# Altium PCB AL1000.PcbDoc (part 3 of 4)
Units mil, origin at the board's own origin, x right, y up, seen from the top; angles counter-clockwise.
Board outline 8277.75 x 4143.89 mil, 4 copper layers (Component Side, Ground Plane, Power Plane, Solder Side), stack 33.234 mil thick; 499 components, 375 nets, 1599 pads, 423 vias.
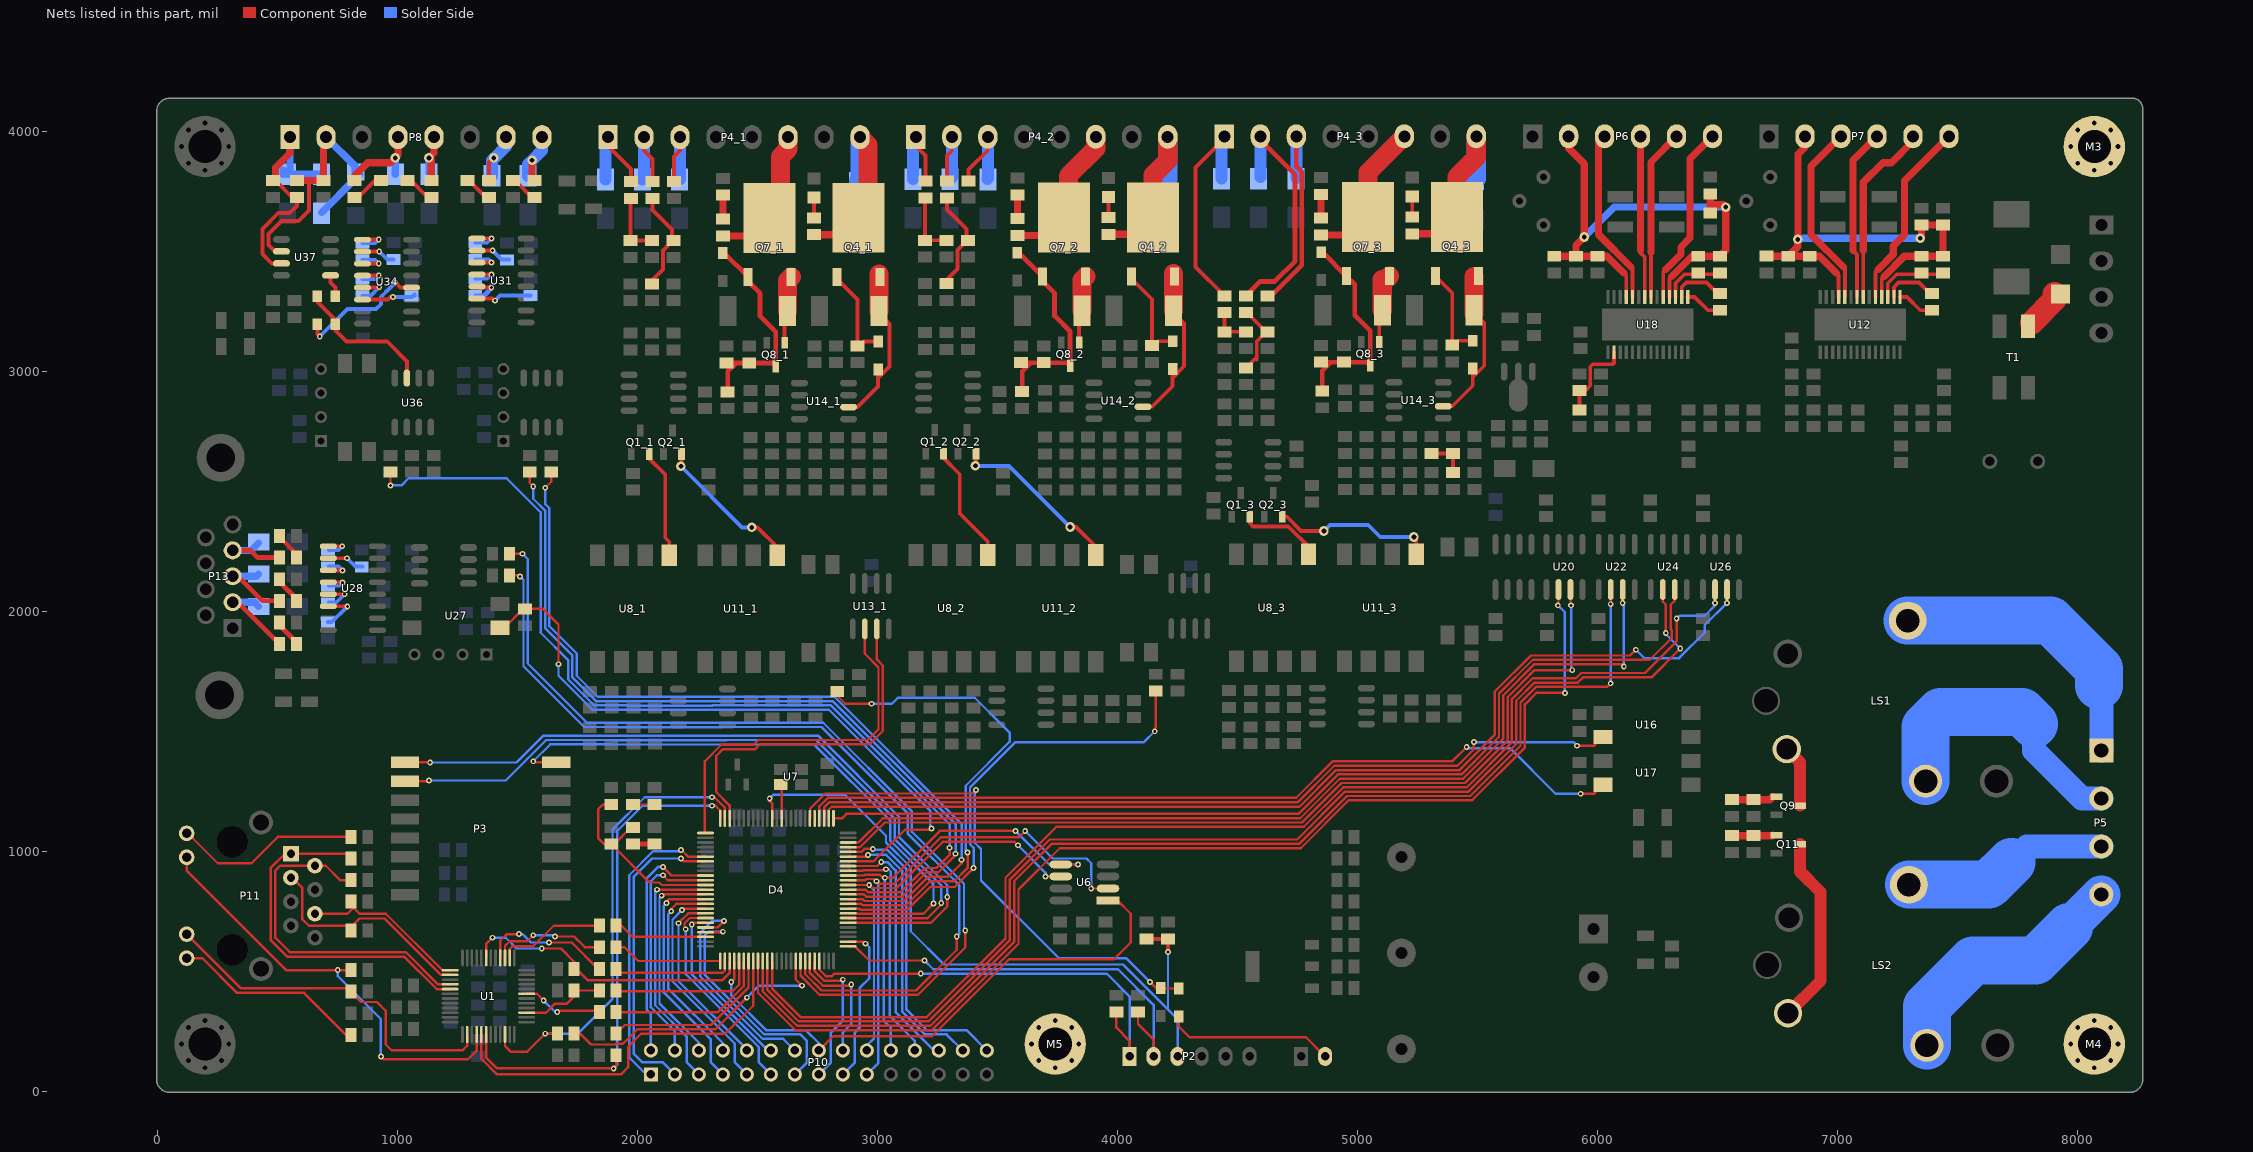
[diagram p5: the nets of this part, all layers, seen from the top]

## Via types
v1: diameter 24, hole 12, Component Side to Solder Side, tented both sides, 191 vias
v2: diameter 40, hole 20, Component Side to Solder Side, 79 vias
v3: diameter 24, hole 12, Component Side to Solder Side, 73 vias
v4: diameter 40, hole 20, Component Side to Solder Side, tented both sides, 29 vias
v5: diameter 50, hole 28, Component Side to Solder Side, 27 vias
v6: diameter 50, hole 24, Component Side to Solder Side, tented both sides, 10 vias
v7: diameter 50, hole 28, Component Side to Solder Side, tented both sides, 10 vias
v8: diameter 50, hole 25, Component Side to Solder Side, 3 vias
v9: diameter 50, hole 24, Component Side to Solder Side, 1 vias

## Nets (pads, with @x,y where several pads share a name; then routed paths per layer and width w, separated by ;. In a path a pad name is that pad's centre, name@x,y a point inside that pad or via, vN(x,y) a via of type N, cw(c..) or ccw(c..) an arc to the next point about the centre after c; other vN are vias at no path point) (continued)
NetC55_3_2: C55_3.2 R58_3.1 R59_3.2 | length 169.9
  Component Side w16: C55_3.2@5308.23,2658.58 R59_3.2@5398.23,2658.58 R58_3.1@5398.23,2578.66
NetC56_1_1: C56_1.1 D14_1.1 Q7_1.1 Q8_1.3 R64_1.1 R65_1.1 | length 902.3
  Component Side w20: D14_1.1@2355,3493.07 2361.1,3493.07 Q7_1.1@2460.24,3393.94 2460.24,3374.76 2510,3325 2510,3230 2575,3165 Q8_1.3@2575,3020.79 2560.83,3034.96 R64_1.1@2465,3034.96 2410,3034.96 ; C56_1.1@2370,3034.96 2410,3034.96 ; R65_1.1@2375,2925.04 2375,2999.96 2410,3034.96
NetC56_2_1: C56_2.1 D14_2.1 Q7_2.1 Q8_2.3 R64_2.1 R65_2.1 | length 902.3
  Component Side w20: D14_2.1@3582.36,3494.49 3588.46,3494.49 Q7_2.1@3687.6,3395.35 3687.6,3376.18 3737.36,3326.42 3737.36,3231.42 3802.36,3166.42 Q8_2.3@3802.36,3022.2 3788.19,3036.38 R64_2.1@3692.36,3036.38 3637.36,3036.38 ; C56_2.1@3597.36,3036.38 3637.36,3036.38 ; R65_2.1@3602.36,2926.46 3602.36,3001.38 3637.36,3036.38
NetC56_3_1: C56_3.1 D14_3.1 Q7_3.1 Q8_3.3 R64_3.1 R65_3.1 | length 896.1
  Component Side w20: C56_3.1@4848.23,3038.58 4888.23,3038.58 ; D14_3.1@4848.23,3496.69 4854.33,3496.69 Q7_3.1@4953.46,3397.56 4988.23,3362.8 4988.23,3233.62 5053.23,3168.62 Q8_3.3@5053.23,3024.41 5039.06,3038.58 R64_3.1@4943.23,3038.58 4888.23,3038.58 ; R65_3.1@4853.23,2928.66 4853.23,3003.58 4888.23,3038.58
NetC58_1: C58.1 R52.2 U18.16 | length 363.7
  Component Side w16: R52.2@5925,2840.04 C58.1@5925,2920 5950,2920 5970,2940 5970,3019.44 5980.56,3030 6065,3030 6069,3034 U18.16@6069,3080
NetC69_1: C69.1 U18.1 | length 156.8
  Component Side w16: U18.1@6376,3310 6405,3310 6460.04,3254.96 C69.1@6510,3254.96
NetC69_2: C69.2 U18.2 | length 226.5
  Component Side w16: U18.2@6351,3310 6351,3351 6370,3370 6455,3370 6490,3335 6500.04,3335 C69.2@6510,3325.04
NetC70_1: C70.1 U12.1 | length 156.8
  Component Side w16: U12.1@7261,3310 7290,3310 7345.04,3254.96 C70.1@7395,3254.96
NetC70_2: C70.2 U12.2 | length 226.5
  Component Side w16: U12.2@7236,3310 7236,3351 7255,3370 7340,3370 7375,3335 7385.04,3335 C70.2@7395,3325.04
NetC71_1: C71.1 U28.1 | length 119.7
  Component Side w16: U28.1@710.79,2271.34 v1(768.66,2271.34)
  Solder Side w16: C71.1@712.99,2256.38 753.7,2256.38 v1(768.66,2271.34)
NetC71_2: C71.2 U28.3 | length 123.5
  Component Side w16: U28.3@710.79,2171.34 712.13,2170 v1(770,2170)
  Solder Side w16: C71.2@712.99,2186.3 753.7,2186.3 v1(770,2170)
NetC72_2: C72.2 U28.2 | length 156.7
  Component Side w16: U28.2@710.79,2221.34 v1(788.66,2221.34)
  Solder Side w16: v1(788.66,2221.34) 823.7,2186.3 C72.2@852.99,2186.3
NetC73_1: C73.1 U28.5 | length 148.1
  Component Side w16: U28.5@710.79,2071.34 v1(778.66,2071.34)
  Solder Side w16: C73.1@712.99,2036.3 743.62,2036.3 v1(778.66,2071.34)
NetC73_2: C73.2 U28.4 | length 122.4
  Component Side w16: U28.4@710.79,2121.34 712.13,2120 v1(770,2120)
  Solder Side w16: C73.2@712.99,2106.38 756.38,2106.38 v1(770,2120)
NetC80_2: C80.2 U28.6 | length 188.6
  Component Side w16: U28.6@712.13,2020 U28.6@710.79,2021.34 788.66,2021.34 v1(790,2020)
  Solder Side w16: C80.2@710,1955.04 725.04,1955.04 v1(790,2020)
NetC82_1: C82.1 U31.1 | length 134.6
  Component Side w16: U31.1@1330.63,3553.86 v1(1390.47,3553.86)
  Solder Side w16: C82.1@1322.99,3536.38 1372.99,3536.38 v1(1390.47,3553.86)
NetC82_2: C82.2 U31.3 | length 132.5
  Component Side w16: U31.3@1330.63,3453.86 v1(1390.47,3453.86)
  Solder Side w16: C82.2@1322.99,3466.3 1378.03,3466.3 v1(1390.47,3453.86)
NetC83_2: C83.2 U31.2 | length 147.9
  Component Side w16: U31.2@1330.63,3503.86 v1(1395.51,3503.86)
  Solder Side w16: v1(1395.51,3503.86) 1433.07,3466.3 C83.2@1462.99,3466.3
NetC84_1: C84.1 U31.5 | length 191.5
  Component Side w16: U31.5@1330.63,3353.86 1334.49,3350 v1(1390,3350)
  Solder Side w16: C84.1@1322.99,3316.3 1356.3,3316.3 ; v1(1390,3350) 1356.3,3316.3 ; v1@1393.31,3346.69 1362.91,3316.3 1356.3,3316.3
NetC84_2: C84.2 U31.4 | length 134.6
  Component Side w16: U31.4@1330.63,3403.86 v1(1390.47,3403.86)
  Solder Side w16: C84.2@1322.99,3386.38 1372.99,3386.38 v1(1390.47,3403.86)
NetC90_2: C90.2 U31.6 | length 234.9
  Component Side w16: U31.6@1330.63,3303.86 1396.14,3303.86 v1(1405,3295)
  Solder Side w16: v1(1405,3295) 1426.3,3316.3 C90.2@1552.99,3316.3
NetC92_1: C92.1 U34.1 | length 142.3
  Component Side w16: U34.1@852.99,3549.41 v1(921.06,3549.41)
  Solder Side w16: C92.1@852.99,3534.45 906.1,3534.45 v1(921.06,3549.41)
NetC92_2: C92.2 U34.3 | length 142.3
  Component Side w16: U34.3@852.99,3449.41 v1(921.06,3449.41)
  Solder Side w16: C92.2@852.99,3464.37 906.1,3464.37 v1(921.06,3449.41)
NetC93_2: C93.2 U34.2 | length 143.7
  Component Side w16: U34.2@852.99,3499.41 v1(922.99,3499.41)
  Solder Side w16: v1(922.99,3499.41) 956.1,3466.3 C93.2@982.99,3466.3
NetC94_1: C94.1 U34.5 | length 156.1
  Component Side w16: U34.5@852.99,3349.41 921.06,3349.41 v1(922.99,3351.34)
  Solder Side w16: C94.1@852.99,3314.37 886.02,3314.37 v1(922.99,3351.34)
NetC94_2: C94.2 U34.4 | length 142.3
  Component Side w16: U34.4@852.99,3399.41 v1(921.06,3399.41)
  Solder Side w16: C94.2@852.99,3384.45 906.1,3384.45 v1(921.06,3399.41)
NetC97_2: C97.2 U34.6 | length 230.1
  Component Side w16: U34.6@852.99,3299.41 959.41,3299.41 970,3310 v1(980,3310)
  Solder Side w16: v1(980,3310) 1059.29,3310 1069.29,3320 C97.2@1072.99,3316.3
NetC106_1: C106.1 R120.2 U18.3 | length 260
  Component Side w16: U18.3@6325,3310 6325,3367.42 6362.58,3405 6505.04,3405 C106.1@6510,3409.96
NetC106_2: C106.2 C108.2 C110.2 C112.2 C114.2 P6.2 R120.1 R122.1 U18.4 U18.11 | length 2295.8
  Component Side w16: 6110,3410 6120,3400 U18.11@6120,3310 ; U18.4@6300,3310 6300,3386.26 6308.74,3395
  Component Side w30: R122.1@5820,3480.04 C110.2@5910,3480.04 ; P6.2@5880,3980 5880,3930 5945,3865 v2(5945,3560) 5910,3525 C110.2@5910,3480.04 ; 6110,3410 6039.96,3480.04 C114.2@6000,3480.04 C110.2@5910,3480.04 ; 6308.74,3395 6393.78,3480.04 R120.1@6420,3480.04 C106.2@6510,3480.04 6535,3505.04 v2(6535,3685) 6525,3695 6470,3695 ; C112.2@6470,3660.04 6470,3695 ; C108.2@6470,3739.96 6470,3695
  Solder Side w30: v2(5945,3560) 6070,3685 v2(6535,3685)
NetC107_1: C107.1 R121.2 U12.3 | length 305
  Component Side w16: U12.3@7210,3310 7210,3367.42 7247.58,3405 7435.04,3405 R121.2@7440,3409.96
NetC107_2: C107.2 C109.2 C111.2 C113.2 C115.2 P7.2 R121.1 R123.1 U12.4 U12.11 | length 2109.8
  Component Side w16: 6995,3410 7005,3400 U12.11@7005,3310 ; U12.4@7185,3310 7185,3386.26 7193.74,3395
  Component Side w30: R123.1@6705,3480.08 C115.2@6795,3480.04 C115.2@6795,3480.04 ; v2(6835,3550) 6835,3520.04 C115.2@6795,3480.04 ; v2@6836,3551.04 6836,3905 6865,3934 P7.2@6865,3980 ; 6995,3410 6924.96,3480.04 C113.2@6885,3480.04 C115.2@6795,3480.04 ; 7193.74,3395 7278.78,3480.04 C107.2@7350,3480.04 R121.1@7440,3480.04 C111.2@7440,3609.96 C109.2@7350,3609.96 7350,3559.96 v2(7345.04,3555)
  Solder Side w30: v2(6835,3550) 6840,3555 v2(7345.04,3555)
NetC116_2: C116.2 D4.14 P2.3 R124.1 | length 2893.3
  Component Side w10: v1(2550,1220) 2550,1210.31 2560.32,1200 D4.14@2560.32,1137.24
  Component Side w16: C116.2@4120,634.96 R124.1@4210,634.96 v3(4210,580)
  Solder Side w10: v1(2550,1220) 2565,1235 2865,1235 3035,1065 3035,1036.82 3138,933.82 3138,667 3277,528 4022,528 4210,340 ; v3(4210,580) 4210,340 ; P2.3@4250,145 4250,300 4210,340
NetD1_2: D1.2 T1.1 | length 157
  Component Side w100: T1.1@7810.49,3204.51 7905,3299.03 D1.2@7905,3322.32
NetD4_1: D4.1 U24.3 | length 4121.4
  Component Side w10: D4.1@2816.22,1137.24 2851.24,1137.24 2870,1156 4753.73,1156 4918.23,1320.5 5432.77,1320.5 5589.5,1477.23 5589.5,1657.23 5730.27,1798 6218,1798 6310,1890 6310,1920.36 6305,1925.36 6305,2027.5 6322.5,2045 U24.3@6322.5,2091.02
NetD4_2: D4.2 U26.3 | length 4344.9
  Component Side w10: D4.2@2796.54,1137.24 2796.54,1173.66 2808.55,1185.68 4757.96,1185.68 4910.78,1338.5 5425.31,1338.5 5571.5,1484.69 5571.5,1664.69 5722.81,1816 6136,1816 v3(6160,1840) ; v3(6540,2035) U26.3@6540,2091.02
  Solder Side w10: v3(6160,1840) 6195,1805 6340.36,1805 6447.5,1912.14 6447.5,1942.5 v3(6540,2035)
NetD4_3: D4.3 U16.2 | length 3443.3
  Component Side w10: D4.3@2776.85,1137.24 2776.85,1181.85 2800,1205 4751.82,1205 4903.32,1356.5 5416.5,1356.5 5485,1425 v3(5485,1455) ; v1(5915,1440) 5986.26,1440 U16.2@6023.27,1477.01
  Solder Side w10: v3(5485,1455) 5900,1455 v1(5915,1440)
NetD4_4: D4.4 U17.2 | length 3523.8
  Component Side w10: D4.4@2757.17,1137.24 2757.17,1187.62 2792.54,1223 4744.37,1223 4895.87,1374.5 5394.5,1374.5 v3(5455,1435) ; v3(5930,1240) 5986.26,1240 U17.2@6023.27,1277.01 U17.2@6023.27,1268.27
  Solder Side w10: v3(5455,1435) 5460,1430 5635,1430 5825,1240 v3(5930,1240)
NetD4_5: D4.5
NetD4_6: D4.6 D5.2 D6.2 | length 2164.1
  Component Side w10: D4.6@2717.8,1137.24 2718.97,1138.42 2718.97,1178.51 2781.46,1241 3396,1241 v1(3410,1255) ; v1(4135,455) 4161.93,428.07 D6.2@4255,428.07
  Solder Side w10: v1(3410,1255) 3405,1250 3405,1035.46 3431,1009.46 3431,879 3755,555 4035,555 v1(4135,455)
NetD4_12: D4.12 U7.3 | length 142.5
  Component Side w10: U7.3@2596.69,1278.5 2599.68,1275.51 D4.12@2599.68,1137.24
NetD4_23: D4.23 U13_1.3 | length 1456.5
  Component Side w10: D4.23@2383.15,1137.24 2383.15,1191.5 2327.41,1247.23 2327.41,1397.41 2356,1426 2489.73,1426 2509.73,1446 2966.46,1446 3021.62,1501.17 3021.62,1773.83 2996.77,1798.68 U13_1.3@2996.77,1926.93
NetD4_24: D4.24 R22.1 U1.34 | length 1935
  Component Side w10: U1.34@1446.89,236.89 1446.89,188.11 1470,165 1540,165 v1(1615,240) R22.1@1664.96,240 ; v1(2310,1225) 2320,1225 2363.46,1181.54 ; D4.24@2363.46,1137.24 2363.46,1176.54
  Solder Side w10: v1(1615,240) 1750.81,240 1895,384.19 1895,1090.46 2029.54,1225 v1(2310,1225)
NetD4_25: D4.25 R4.1 U1.30 | length 2216.2
  Component Side w10: U1.30@1368.15,236.89 1368.15,141.04 1414.19,95 v1(1900,95) 1910.04,105.04 R4.1@1910.04,150 ; v1(2310,1190) 2325,1190 2343.78,1171.22 D4.25@2343.78,1137.24
  Solder Side w10: v1(1900,95) 1915,110 1915,1085 2020,1190 v1(2310,1190)
NetD4_26: D4.26 U13_1.2 | length 1517.1
  Component Side w10: D4.26@2280,1078.98 2280,1375.46 2348.54,1444 2482.28,1444 2502.28,1464 2959,1464 3003.62,1508.62 3003.62,1766.38 2946.77,1823.23 U13_1.2@2946.77,1926.93
NetD4_31: D4.31 P10.1 | length 1223.5
  Component Side w10: v1(2180,1005) 2180,1000 2187.8,1000 2210,977.8 D4.31@2282.76,977.8
  Solder Side w10: 2025,80 1965,140 1965,900.46 2064.54,1000 2180,1000 v1(2180,1005)
NetD4_32: D4.32 P10.3 | length 1280.6
  Component Side w10: v1(2180,970) 2191.89,958.11 D4.32@2282.76,958.11
  Solder Side w10: P10.3@2155,70 2105,120 2020,120 1983,157 1983,893 2060,970 v1(2180,970)
NetD4_35: D4.35 P10.2 | length 1005
  Component Side w10: v1(2105,935) 2105.36,935 2141.3,899.06 D4.35@2282.76,899.06
  Solder Side w10: P10.2@2055,170 2055,322 2037,340 2037,887 2085,935 v1(2105,935)
NetD4_36: D4.36 P10.4 | length 993.1
  Component Side w10: v1(2105,900) 2125.63,879.37 D4.36@2282.76,879.37
  Solder Side w10: v1(2105,900) 2080,900 2055,875 2055,350 2155,250 P10.4@2155,170
NetD4_37: D4.37 D25.A R29.2 R32.1 | length 823.8
  Component Side w10: R29.2@1890,1194.96 1854.96,1194.96 1835,1175 1835,1055 1860.04,1029.96 R32.1@1890,1029.96 ; D25.A@1972.85,1100.04 1902.77,1029.96 R32.1@1890,1029.96 ; D4.37@2282.76,859.69 2100.32,859.69 2090,870 2049.96,870 R32.1@1890,1029.96
NetD4_38: D4.38 P10.5 | length 1051
  Component Side w10: v1(2080,840) D4.38@2282.76,840
  Solder Side w10: v1(2080,840) 2073,833 2073,358.35 2205,226.35 2205,120 P10.5@2255,70
NetD4_39: D4.39 P10.6 | length 901.6
  Component Side w10: v1(2100,815) 2105.32,820.31 D4.39@2282.76,820.31
  Solder Side w10: v1(2100,815) 2091,806 2091,365.81 2255,201.81 P10.6@2255,170
NetD4_40: D4.40 P10.7 | length 995.7
  Component Side w10: v1@2115,785 2130.63,800.63 D4.40@2282.76,800.63
  Solder Side w10: v1(2120,785) 2109,774 2109,411 2305,215 2305,120 P10.7@2355,70
NetD4_41: D4.41 P10.8 | length 845.7
  Component Side w10: v1@2140,760 2160.94,780.94 D4.41@2282.76,780.94
  Solder Side w10: v1(2140,750) 2127,737 2127,428 2355,200 P10.8@2355,170 P10.8@2340.6,170
NetD4_42: D4.42 P10.9 | length 930.3
  Component Side w10: v1(2185,755) 2191.26,761.26 D4.42@2282.76,761.26
  Solder Side w10: v1(2185,755) 2145,715 2145,458.18 2405,198.18 2405,120 P10.9@2455,70
NetD4_43: D4.43 P10.10 | length 778.3
  Component Side w10: v1(2170,700) 2170,700.46 2211.12,741.57 D4.43@2282.76,741.57
  Solder Side w10: v1(2170,700) 2170,458.63 2455,173.63 P10.10@2455,170
NetD4_44: D4.44 P10.11 | length 875.9
  Component Side w10: v1(2200,675) 2195,680 2195,700 2216.89,721.89 D4.44@2282.76,721.89
  Solder Side w10: v1(2200,675) 2200,488.18 2505,183.18 2505,120 P10.11@2555,70
NetD4_45: D4.45 P10.12 | length 728.9
  Component Side w10: v1(2225.3,694.95) 2232.56,702.2 D4.45@2282.76,702.2
  Solder Side w10: v1(2225.3,694.95) 2225,694.64 2225,488.63 2543.63,170 P10.12@2555,170
NetD4_46: D4.46 P10.14 | length 913.3
  Component Side w10: D4.46@2282.76,682.52 2332.52,682.52 v1(2360,710)
  Solder Side w10: v1(2360,710) 2310,710 2260,660 2260,479.09 2520.09,219 2606,219 P10.14@2655,170
NetD4_47: D4.47 P10.13 | length 1019.2
  Component Side w10: D4.47@2282.76,662.83 2352.83,662.83 v1(2355,665)
  Solder Side w10: v1(2355,665) 2295,665 2280,650 2280,484.54 2527.54,237 2678,237 2705,210 2705,120 P10.13@2655,70
NetD4_48: D4.48 R11.2 | length 369.6
  Component Side w10: R11.2@1932.52,690 1979.37,643.15 D4.48@2282.76,643.15
NetD4_51: D4.51 R12.2 | length 457.5
  Component Side w10: R12.2@1910.04,600 1945,600 2002.24,542.76 D4.51@2343.78,542.76
NetD4_52: D4.52 R13.2 | length 503
  Component Side w10: R13.2@1910.04,510 1925.72,494.32 2354.32,494.32 2363.46,503.46 D4.52@2363.46,542.76
NetD4_53: D4.53 R1.1 U1.7 | length 1237.3
  Component Side w10: U1.7@1368.15,555.79 1368.15,613.15 v1(1395,640) ; v1(1600,595) 1680,595 1735.04,539.96 R1.1@1735.04,510 1745,510 1793.06,461.94 2351.94,461.94 2383.15,493.15 D4.53@2383.15,542.76
  Solder Side w10: v1(1395,640) 1450,640 1495,595 v1(1600,595)
NetD4_54: D4.54 P10.16 U6.1 | length 2350.1
  Component Side w10: v1(2390,455) 2402.83,467.83 D4.54@2402.83,542.76 ; P10.16@2755,170 2815,230 3227.73,230 3547.73,550 3985,550 4055,620 4055,740 4000,795 U6.1@3960,795
  Solder Side w10: v1(2390,455) 2390,400 2535,255 2700,255 2755,200 P10.16@2755,170
NetD4_55: D4.55 R16.2 | length 623.8
  Component Side w10: R16.2@1910.04,420 1913.04,417 2395.73,417 2422.52,443.79 D4.55@2422.52,542.76
NetD4_56: D4.56 R14.2 | length 681.6
  Component Side w10: R14.2@1910.04,330 2334.19,330 2442.2,438.02 D4.56@2442.2,542.76
NetD4_57: D4.57 R15.2 | length 742
  Component Side w10: R15.2@1910.04,240 1946.04,276 2305.64,276 2461.89,432.25 D4.57@2461.89,542.76
NetD4_58: D4.58 U1.29 | length 1616.4
  Component Side w10: U1.29@1348.46,236.89 1348.46,135.27 1413.73,70 1930,70 1960,100 1960,185 2015,240 2365,240 2481.57,356.57 D4.58@2481.57,542.76
NetD4_59: D4.59 U20.2 | length 4824.6
  Component Side w10: D4.59@2501.26,542.76 2501.26,410.19 2656.45,255 3227.28,255 3587,614.72 3587,841 3759,1013 4763.47,1013 4962.97,1212.5 5477.5,1212.5 5697.5,1432.5 5697.5,1612.5 5745,1660 v3(5865,1660) ; v3(5835,2025) 5837.5,2027.5 U20.2@5837.5,2091.02
  Solder Side w10: v3(5835,2025) 5864.05,1995.95 v3@5864.05,1660
NetD4_60: D4.60 U22.2 | length 4955.8
  Component Side w10: D4.60@2520.94,542.76 2520.94,415.97 2663.91,273 3219.82,273 3569,622.18 3569,875.09 3724.91,1031 4756.01,1031 4955.51,1230.5 5470.04,1230.5 5679.5,1439.96 5679.5,1619.96 5744.54,1685 6040,1685 v3(6055,1700) ; v3(6055,2030) U22.2@6055,2091.02
  Solder Side w10: v3(6055,1700) v3(6055,2030)
NetD4_61: D4.61 U24.2 | length 5151.4
  Component Side w10: D4.61@2540.63,542.76 2540.63,421.74 2671.37,291 3212.37,291 3551,629.63 3551,882.54 3717.46,1049 4748.56,1049 4948.06,1248.5 5462.59,1248.5 5661.5,1447.41 5661.5,1627.41 5737.09,1703 5918,1703 5940,1725 6225,1725 v3(6345,1845) ; U24.2@6272.5,2091.02 6272.5,2040 6285,2027.5 v3(6285,1910)
  Solder Side w10: v3@6282.5,1907.5 v3(6345,1845)
NetD4_62: D4.62 U26.2 | length 5180.3
  Component Side w10: D4.62@2560.32,542.76 2560.32,427.51 2678.82,309 3204.91,309 3533,637.09 3533,890 3745,1102 4776.1,1102 4940.6,1266.5 5455.13,1266.5 5643.5,1454.87 5643.5,1634.87 5729.63,1721 5910.54,1721 5932.54,1743 6198,1743 6330,1875 v3(6330,1970) ; v3(6490,2035) U26.2@6490,2091.02
  Solder Side w10: v3(6330,1970) 6342,1982 6447.46,1982 6490,2024.54 v3(6490,2035)
NetD4_67: D4.67 R22.2 | length 1193.8
  Component Side w10: R22.2@1725.04,240 R22.2@1735.04,240 1760,240 1805,195 1905,195 1908.06,198.06 1938.26,198.06 1945.87,205.68 1945.87,205.87 1998,258 2323,258 v1(2455,390) ; D4.67@2658.74,542.76 2658.74,466.26 v1(2685,440)
  Solder Side w10: v1(2455,390) 2505,440 v1(2685,440)
NetD4_68: D4.68 R92.2 | length 3899.4
  Component Side w10: R92.2@1465.04,2240 v1(1520,2240) ; D4.68@2678.43,542.76 2678.43,481.93 2758.36,402 3167.9,402 3365,599.1 v1(3365,670)
  Solder Side w10: v1(1520,2240) 1542,2218 1542,1783 1789,1536 1927.55,1536 1928.13,1535.42 2340.18,1535.42 2340.76,1536 2773.54,1536 3143,1166.54 3143,1081.56 3360,864.56 3360,675 v1(3365,670)
NetD4_69: D4.69 R90.1 | length 3722.7
  Component Side w10: R90.1@1465.04,2150 v1@1505,2150 ; D4.69@2698.11,542.76 2698.11,487.7 2765.81,420 3160.44,420 3330,589.56 v1(3330,645)
  Solder Side w10: v1(1510,2145) 1524,2131 1524,1771 1777,1518 1920.09,1518 1920.67,1517.42 2347.63,1517.42 2348.21,1518 2766.09,1518 3125,1159.09 3125,1074.1 3340,859.1 3340,655 v1(3330,645)
NetD4_70: D4.70 P10.18 | length 535.2
  Component Side w10: D4.70@2717.8,542.76 2717.8,493.47 2771.27,440 2885,440 v1(2890,445)
  Solder Side w10: P10.18@2855,170 2855,245 2890,280 v1(2890,445)
NetD4_71: D4.71 P10.15 | length 615
  Component Side w10: D4.71@2737.48,542.76 2737.48,500.57 2778.05,460 2850,460 v1(2855,465)
  Solder Side w10: P10.15@2755,70 2805,120 2805,245 2855,295 v1(2855,465)
NetD4_72: D4.72 P2.1 R26.1 | length 1841.8
  Component Side w10: D4.72@2757.17,542.76 2757.17,506.34 2783.51,480 2809.57,480 2819.78,490.22 2820,490 3179.57,490 v1(3179.78,490.22) ; R26.1@3995,329.96 3995,265 4050,210 P2.1@4050,145
  Solder Side w10: v1(3179.78,490.22) 3954.78,490.22 4050,395 P2.1@4050,145
NetD4_76: D4.76 P2.2 R27.1 | length 1800.6
  Component Side w10: D4.76@2877.24,603.78 2906.22,603.78 2965,545 v1(3195,545) ; R27.1@4085,329.96 4085,280 4150,215 P2.2@4150,145
  Solder Side w10: v1(3195,545) 3231.78,508.22 4001.78,508.22 4150,360 P2.2@4150,145
NetD4_77: D4.77 P10.17 | length 673
  Component Side w10: D4.77@2877.24,623.46 2941.54,623.46 v1(2950,615)
  Solder Side w10: P10.17@2855,70 2905,120 2905,245 2925,265 2925,430 2965,470 2965,600 v1(2950,615)
NetD4_81: D4.81 P3.1 | length 3144.3
  Component Side w10: P3.1@1030.04,1370.59 1134.41,1370.59 v1(1135,1370) ; D4.81@2877.24,702.2 3222.2,702.2 3290,770 v1(3290,810)